# Allegro board LAY-31407_C2.brd
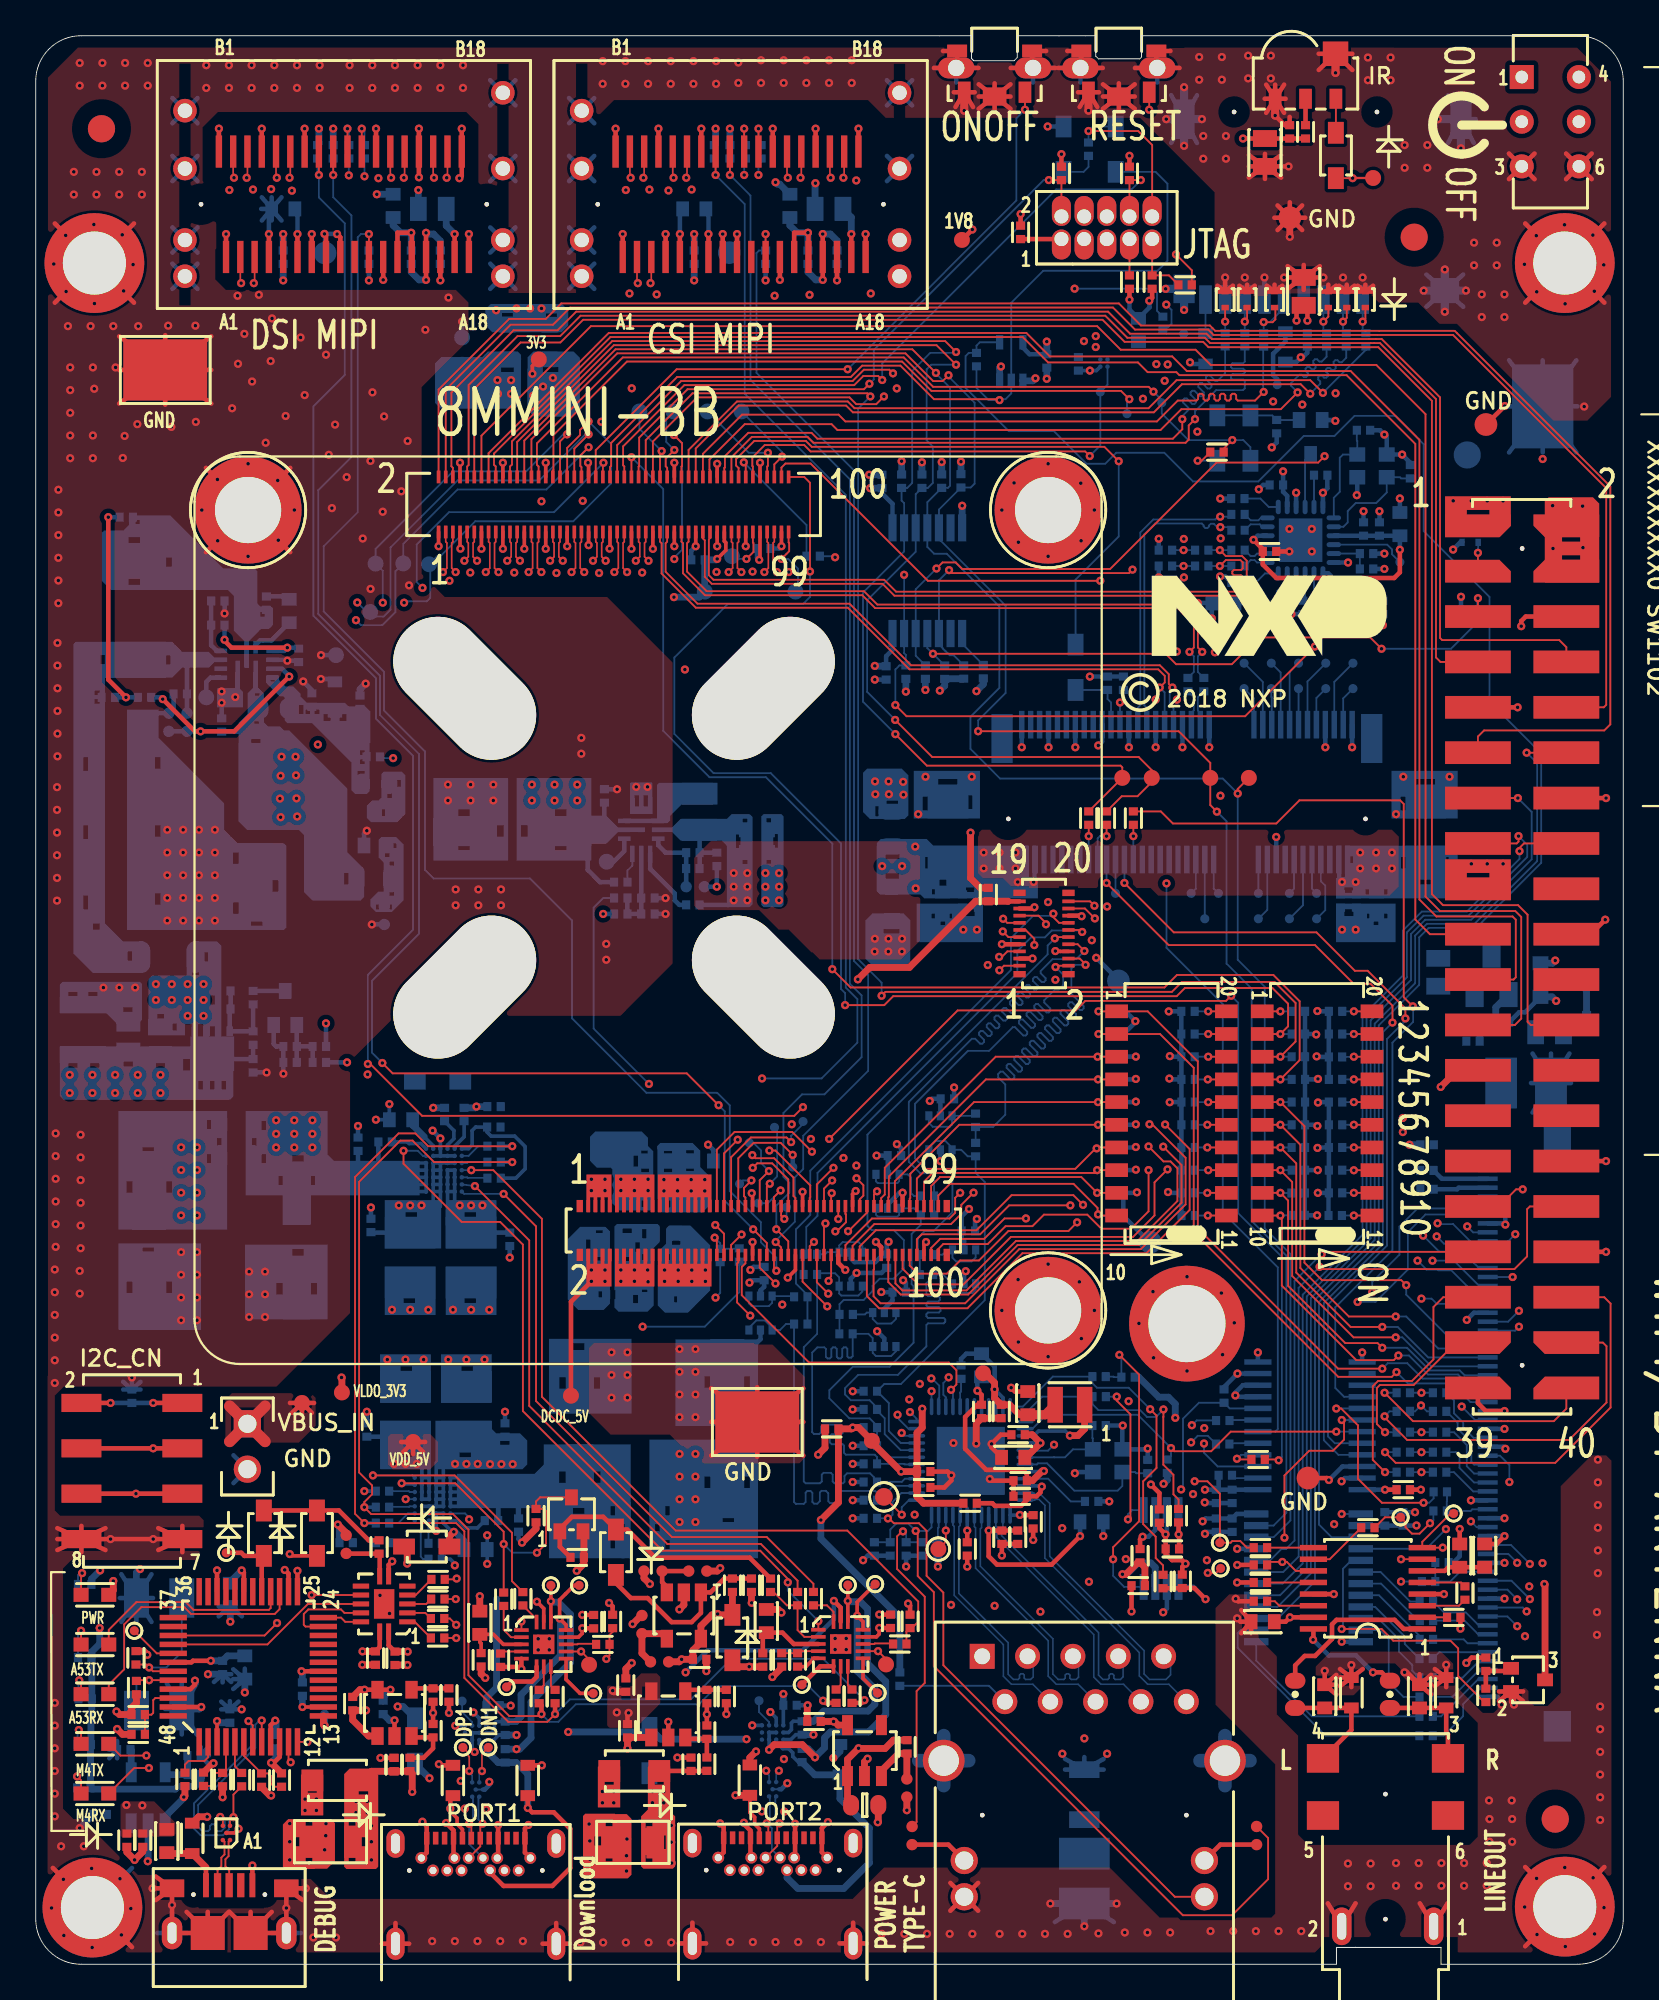
[diagram p0: board, top side]
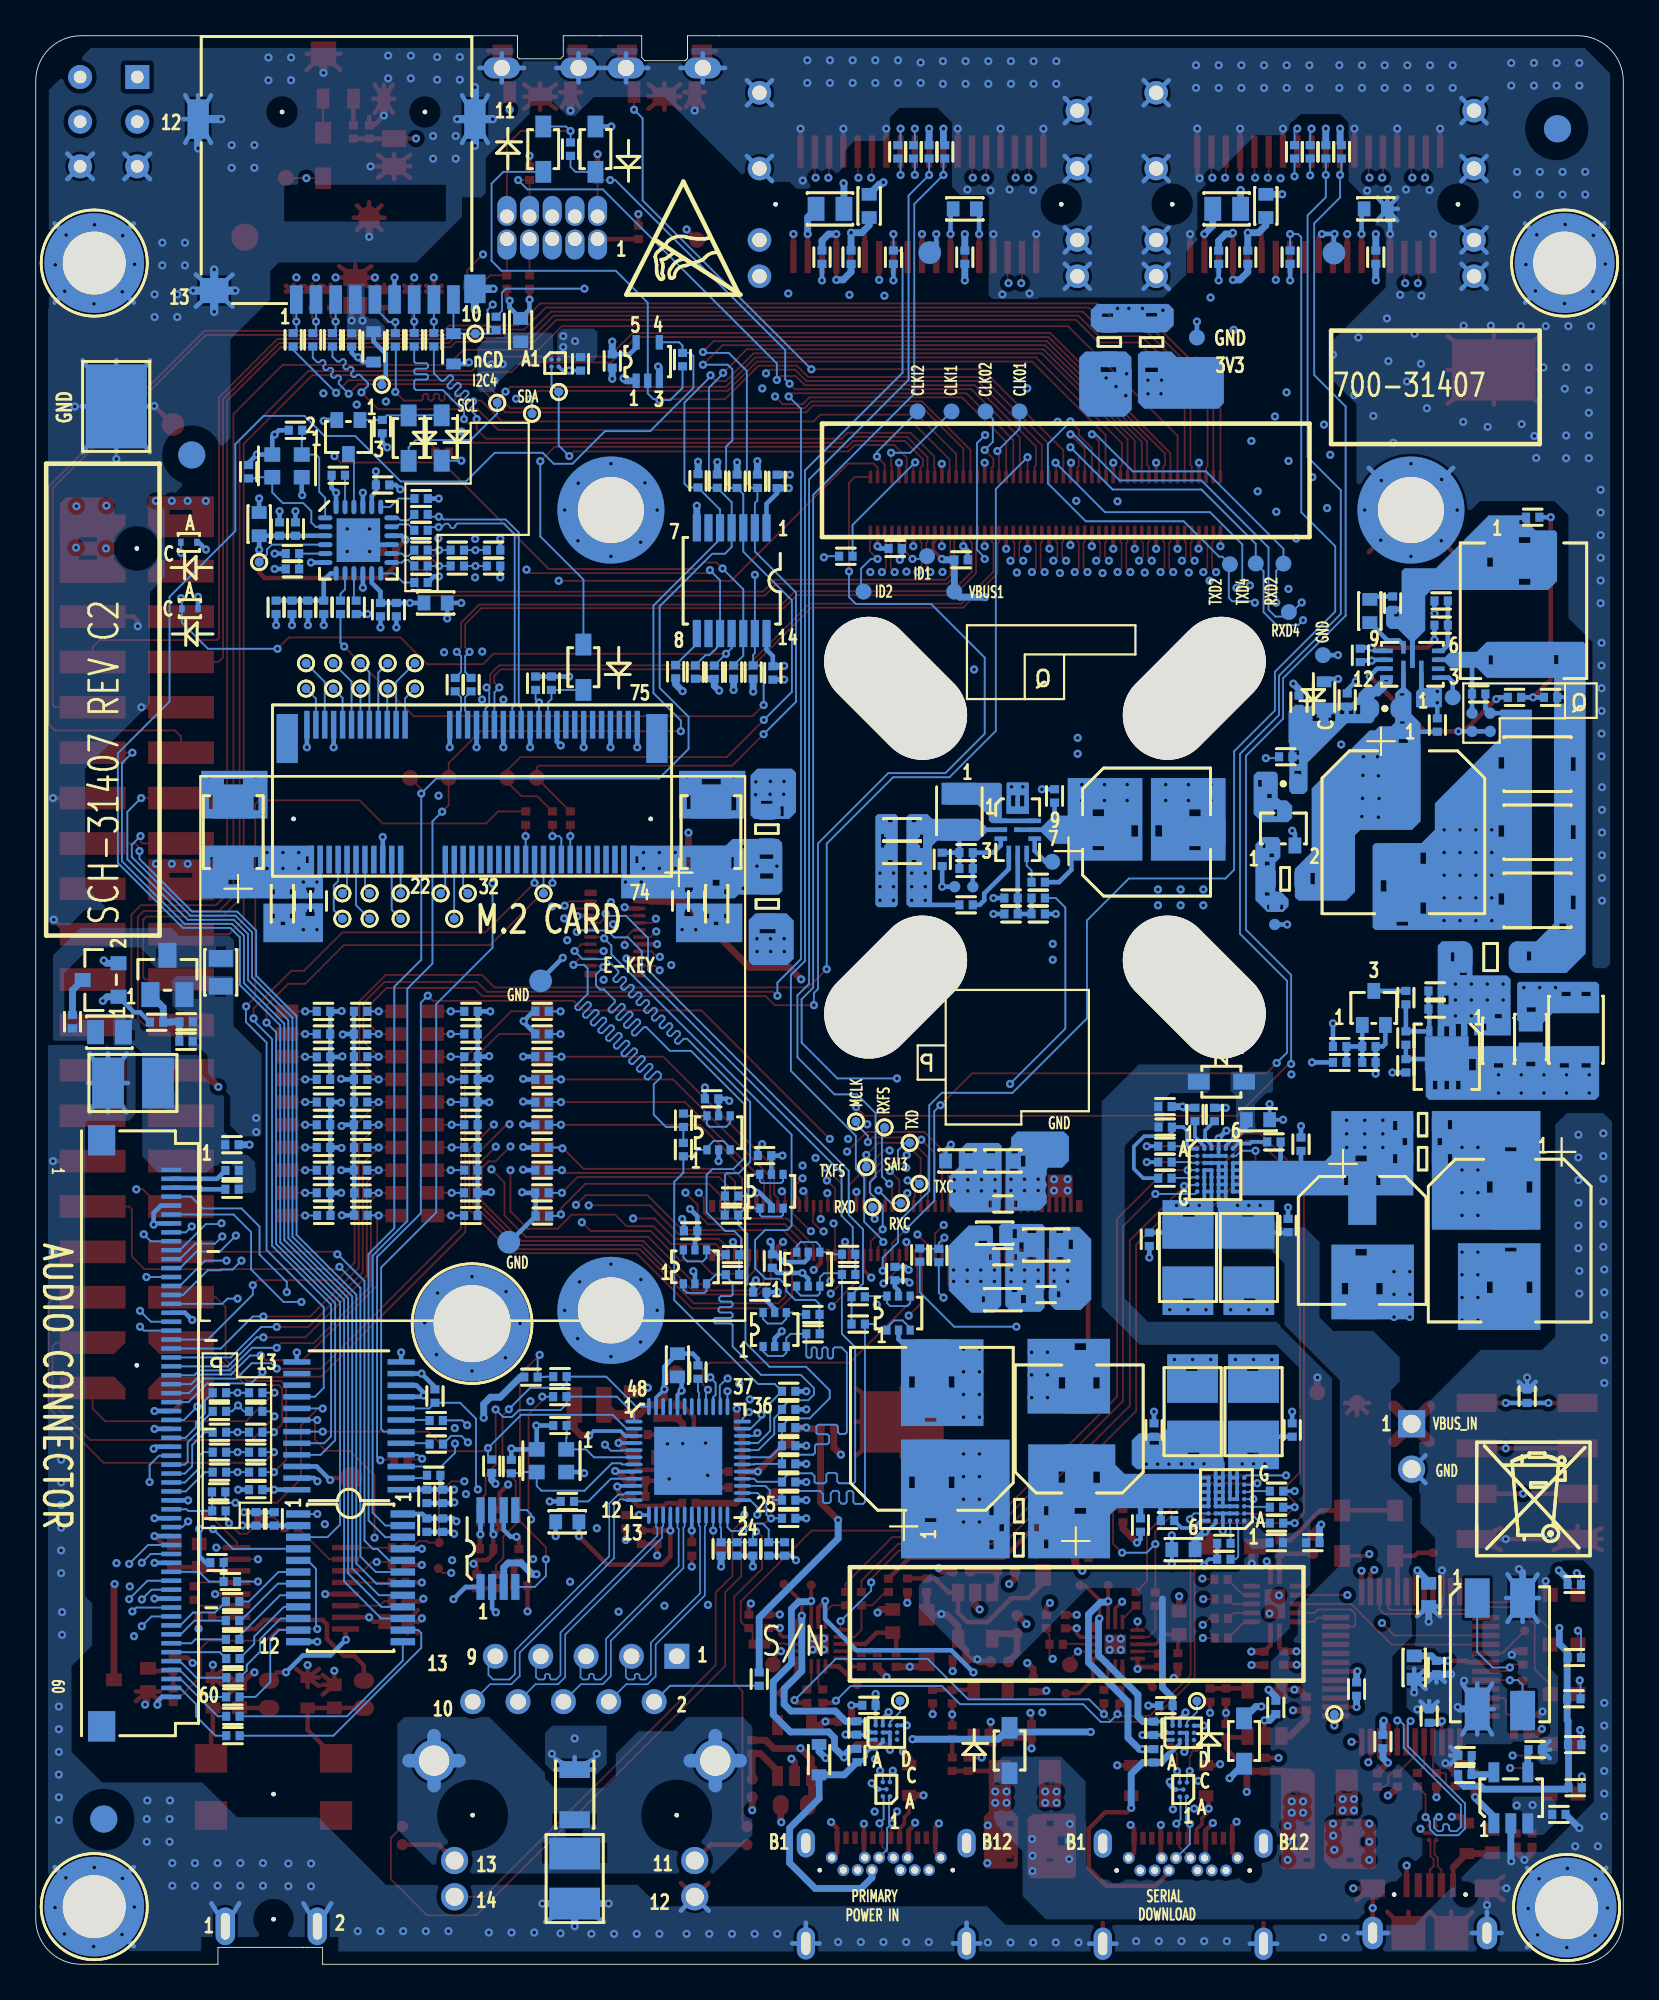
[diagram p1: board, bottom side, seen from below]

Outline 88.9 x 107.95 mm; copper layers: TOP, L2_GND1, L3_IN1, L4_POWER_1, L5_POWER_2, L6_IN2, L7_GND2, BOTTOM. Coordinates in mm from the lower left corner of the outline.
Outline path: 0,105.41 arc(0.74,107.21) 2.54,107.95 52.4,107.95 52.4,106.68 52.53,106.55 54.79,106.55 54.97,106.73 54.97,107.95 59.36,107.95 59.36,106.81 59.51,106.65 61.82,106.65 61.93,106.76 61.93,107.95 86.36,107.95 arc(88.16,107.21) 88.9,105.41 88.9,2.54 arc(88.16,0.74) 86.36,0 78.69,0 78.69,0.94 73.93,0.94 73.93,0.95 73.92,0.94 72.84,0.94 72.84,0 2.54,0 arc(0.74,0.74) 0,2.54 0,105.41

## Design rules (mm)
constraint set DEFAULT: min track width 0.102
net group 3483_EN_SNK1: nets 3483_EN_SNK1 EN_SNK1
net group 3483_EN_SNK2: nets 3483_EN_SNK2 EN_SNK2
net group CLS_DIFF_100: nets PCIE_CLKN PCIE_CLKP
net group CSI_I2C_SCL: nets CSI_I2C_SCL I2C3_SCL
net group CSI_I2C_SDA: nets CSI_I2C_SDA I2C3_SDA
net group DIFFPAIR0: nets USB_DBG_DM USB_DBG_DP
net group ECSPI1: nets UART3_CTS UART3_RTS
net group EN_SRC1: nets EN_SRC1 PD_EN_SRC1
net group EN_SRC2: nets EN_SRC2 PD_EN_SRC2
net group ENET_NRST_LV: nets ENET_NRST_LV N107724179
net group ENET_RD1: nets ENET_RD1_BUFIN N107968670
net group ENET_RD2: nets ENET_RD2_BUFIN N107968717
net group ENET_RD3: nets ENET_RD3_BUFIN N107968739
net group ENET_RX_CTL: nets ENET_RX_CTL_BUFIN N107968479
net group ENET_RXC: nets ENET_RXC_BUFIN N107968412
net group ETH_TRX0: nets ETH_TRX0_N ETH_TRX0_P
net group ETH_TRX1: nets ETH_TRX1_N ETH_TRX1_P
net group ETH_TRX2: nets ETH_TRX2_N ETH_TRX2_P
net group ETH_TRX3: nets ETH_TRX3_N ETH_TRX3_P
net group EXP_IO0: nets EXP_IO0 N104271923
net group EXP_IO1: nets EXP_IO1 N104271907
net group EXP_IO2: nets EXP_IO2 N104271909
net group EXP_IO3: nets EXP_IO3 N104271911
net group EXP_IO4: nets EXP_IO4 N104271896
net group EXP_IO5: nets EXP_IO5 N104271904
net group EXP_IO6: nets EXP_IO6 N104271893
net group EXP_IO7: nets EXP_IO7 N104271890
net group EXT_PWREN: nets EXT_PWREN N107626870
net group JTAG_NTRST: nets JTAG_NTRST N106685087
net group LINE_OUTL: nets LINE_OUTL N102887640
net group LINE_OUTR: nets LINE_OUTR N102887637
net group LINK / ACTIVE: nets LED_LINK1000 LINK / ACTIVE
net group LINKACT: nets LED_ACT LINKACT
net group N102889416: nets N102889416 N102889418
net group N106947509: nets N106947509 N106947511
net group N107060780: nets N106825388 N107060780
net group NRST: nets N106685043 NRST
net group PCIE_NRST_LV: nets N107724192 PCIE_NRST_LV
net group PCIE_RX: nets PCIE_RXN PCIE_RXP
net group PCIE_TXN: nets N105095143 PCIE_TXN
net group PCIE_TXP: nets N105095140 PCIE_TXP
net group PMIC_ON_REQ: nets N106947532 PMIC_ON_REQ
net group POR_B: nets EX_POR_B POR_B
net group REF_CLK_C: nets N101995404 N101995408
net group SAI2_MCLK: nets N107724212 SAI2_MCLK
net group SAI3_TXC: nets N102889754 SAI3_TXC
net group SAI5: nets SAI5_MCLK SAI5_RXFS
net group SD2_CLK: nets N98831920 SD2_CLK
net group SD2_CMD: nets N101118780 SD2_CMD
net group SD2_DATA0: nets N101118689 SD2_DATA0
net group SD2_DATA1: nets N101118681 SD2_DATA1
net group SD2_DATA3: nets N101118786 SD2_DATA3
net group SPDIF: nets SPDIF_RX SPDIF_TX
net group SPDIF_EXT_CLK: nets N104271750 SPDIF_EXT_CLK
net group UART: nets UART3_RXD UART3_TXD
net group UART2_RXD: nets N108373117 UART2_RXD
net group UART2_TXD: nets N108373115 UART2_TXD
net group UART4_RXD: nets N108373121 UART4_RXD
net group UART4_TXD: nets N108373119 UART4_TXD
net group USB1_CC1: nets USB1_CC1 USB1_CC1_CN
net group USB1_CC2: nets USB1_CC2 USB1_CC2_CN
net group USB1_D: nets USB1_DN USB1_DP
net group USB2_CC1: nets USB2_CC1 USB2_CC1_CN
net group USB2_CC2: nets USB2_CC2 USB2_CC2_CN
net group USB2_D: nets USB2_DN USB2_DP
net group USB_LD_NFLT1: nets LD1_NINT USB_LD_NFLT1
net group USB_LD_NFLT2: nets LD2_NINT USB_LD_NFLT2
net group VBUS_DBG: nets N108201307 VBUS_DBG
net group VBUS_EXT: nets N101800237 N104270741
net group CSI-DSI: nets CSI_CKN CSI_CKP CSI_DN0 CSI_DN1 CSI_DN2 CSI_DN3 CSI_DP0 CSI_DP1 CSI_DP2 CSI_DP3 DSI_CKN DSI_CKP DSI_DN0 DSI_DN1 DSI_DN2 DSI_DN3 DSI_DP0 DSI_DP1 DSI_DP2 DSI_DP3
net group DSI_TS_SCL: nets DSI_TS_SCL I2C2_SCL M2_I2C_SCL
net group DSI_TS_SDA: nets DSI_TS_SDA I2C2_SDA M2_I2C_SDA
net group ECSPI2: nets BT_DEV_WAKE N102026698 PCIE_NCLKREQ PCIE_NRST PCIE_NWAKE
net group ENET_RD0: nets ENET_MDIO ENET_RD0_BUFIN ENET_VDDIO MDIO N105218199 N107966091 N107968707
net group I2C2_SDA_3V3: nets I2C2_SDA_3V3 LD1_I2C_SDA LD2_I2C_SDA N104279469 PD1_I2C_SDA PD2_I2C_SDA
net group LD1_I2C_SCL: nets I2C2_SCL_3V3 LD1_I2C_SCL LD2_I2C_SCL N104279466 PD1_I2C_SCL PD2_I2C_SCL
net group M-ENET-TX: nets ENET_TD0 ENET_TD1 ENET_TD2 ENET_TD3 ENET_TX_CTL ENET_TXC
net group MDC: nets ENET_MDC MDC N107966089
net group N103620610: nets N103620610 N107896174 N108059802
net group N103621273: nets N103620608 N103620792 N103620806 N103620818 N103621273 N107870832
net group NCS_CLK: nets ENET_XTLO
net group NCS_POWER_PH: nets ENET_AVDD33 ENET_DVDDL_1V1 ENET_LX ENET_VDDH_2V5 ILIM_5V_VBUS1 ILIM_5V_VBUS2 LINEVDD N99468751 N101995244 N101995353 N101995570 N106751784 N106751786 USB1_VBUS USB1_VBUS_IN USB2_VBUS_IN VCC VCC_3V6 VLDO1_3V3
net group PCIE: nets M2_USB_DN M2_USB_DP N101995436 N101995453 REF_CLKN_CN REF_CLKP_CN
net group SAI1: nets SAI1_MCLK SAI1_RXC SAI1_RXD0 SAI1_RXD1 SAI1_RXD2 SAI1_RXD3 SAI1_RXD4 SAI1_RXD5 SAI1_RXD6 SAI1_TXC SAI1_TXD0 SAI1_TXD1 SAI1_TXD2 SAI1_TXD3 SAI1_TXD4 SAI1_TXD5 SAI1_TXD6
net group SAI2: nets M2_PCM_CLK M2_PCM_IN M2_PCM_OUT M2_PCM_SYNC
net group SAI2_3_MCLK: nets N102889696 SAI2_3_MCLK SAI3_MCLK
net group SAI3: nets SAI3_RXD SAI3_RXFS SAI3_TXD SAI3_TXFS
net group SAI5_RXC: nets N104271082 N106693819 SAI5_RXC
net group SAI5_RXD0: nets N104271107 N106693817 SAI5_RXD0
net group SAI5_RXD1: nets N104271093 N107162937 SAI5_RXD1
net group SAI5_RXD2: nets N104271096 N106693815 SAI5_RXD2
net group SD2: nets M2_SD_CLK M2_SD_CMD M2_SD_DAT0 M2_SD_DAT1 M2_SD_DAT2 M2_SD_DAT3 M2_SD_NRST M2_SD_WAKE SD2_NRST
net group VCC_3V3_FT: nets N108242066 N108242068 N108243403 N108243405

## Placement (name value [footprint] x y rotation side)
BH1201  .635" LONG  [SPACER_139T]  3.29 95.22 180 bottom
BH1202  .635" LONG  [SPACER_139T]  85.62 95.22 180 bottom
BH1203  .635" LONG  [SPACER_139T]  3.17 3.17 180 bottom
BH1204  .635" LONG  [SPACER_139T]  85.62 3.23 180 bottom
BH1206  SMTSO-M25  [MH244-166T]  64.47 35.86 180 bottom
BH1207  STANDOFF M2.5  [STANDOFF_CIRCLE_5P1-2P5MM_NSP]  56.69 81.4 45 top
BH1208  STANDOFF M2.5  [STANDOFF_CIRCLE_5P1-2P5MM_NSP]  56.69 36.6 45 top
BH1209  STANDOFF M2.5  [STANDOFF_CIRCLE_5P1-2P5MM_NSP]  11.89 81.4 45 top
C101  100uF  [CCE8P3X8P3]  12.31 63.36 270 bottom
C102  0.22uF  [0402_CC]  12.91 76.19 270 bottom
C103  47UF  [CASE_D_AL]  26.69 63.38 180 bottom
C105  0.1uF  [0402_CC]  10.41 69.37 90 bottom
C106  0.1uF  [0402_CC]  8.09 71.11 180 bottom
C107  100UF  [1210_CC]  4.8 67.17 0 bottom
C108  100UF  [1210_CC]  4.8 63.36 0 bottom
C109  100UF  [1210_CC]  4.8 59.55 0 bottom
C113  0.22uF  [0402_CC]  15.46 70.76 90 bottom
C114  1uF  [0402_CC]  14.72 73.27 270 bottom
C116  0.1uF  [0402_CC]  31.85 65.4 90 bottom
C117  0.1uF  [0402_CC]  34.28 59.68 0 bottom
C118  1000pF  [0402_CC]  36.8 61.33 180 bottom
C119  22uF  [0603_CC]  40.38 63.5 0 bottom
C120  22uF  [0603_CC]  40.38 62.23 0 bottom
C121  0.1uF  [0402_CC]  38.14 61.85 270 bottom
C122  1000pF  [0402_CC]  36.8 59.3 0 bottom
C138  0.22uF  [0402_CC]  10.54 53.47 0 bottom
C141  1uF  [0402_CC]  12.17 50.29 270 bottom
C142  10uF  [0805_CC]  5.18 51.9 90 bottom
C145  0.1uF  [0402_CC]  14.24 51.37 180 bottom
C157  100UF  [1210_CC]  2.65 52.31 90 bottom
C159  0.01UF  [0402_CC]  12.17 51.85 90 bottom
C160  220PF  [0402_CC]  4.07 70.92 180 bottom
C161  0.22uF  [0402_CC]  18.16 70.64 90 bottom
C201  1uF  [0402_CC]  75.54 24.93 90 bottom
C202  1uF  [0402_CC]  67 24.58 270 bottom
C203  0.01UF  [0402_CC]  66.11 24.58 270 bottom
C204  0.01UF  [0402_CC]  76.56 24.93 90 bottom
C205  1uF  [0402_CC]  67 26.19 270 bottom
C206  0.01UF  [0402_CC]  66.11 26.19 270 bottom
C207  1uF  [0402_CC]  76.58 26.56 0 top
C208  0.01UF  [0402_CC]  76.58 26.56 0 bottom
C209  0.1uF  [0402_CC]  32.32 37.48 0 bottom
C210  22uF  [0805_CC]  32.32 40.26 0 bottom
C211  0.1uF  [0402_CC]  34.73 42.56 180 bottom
C212  22uF  [0603_CC]  37.3 44.96 0 bottom
C213  0.1uF  [0402_CC]  34.75 39.6 180 bottom
C214  22uF  [0603_CC]  35.21 40.92 180 bottom
C215  0.1uF  [0402_CC]  37.08 78.61 180 bottom
C216  0.1uF  [0402_CC]  40.77 79.25 0 bottom
C217  22uF  [0603_CC]  34.74 44.96 180 bottom
C218  22uF  [0603_CC]  34.75 37.2 180 bottom
C219  0.1uF  [0402_CC]  47.39 83 90 bottom
C220  0.1uF  [0402_CC]  47.62 72.28 270 bottom
C221  0.1uF  [0402_CC]  56.62 89.75 270 bottom
C301  4.7uF  [CC1210]  24.12 30.93 90 bottom
C302  0.1uF  [0402_CC]  26.28 29.91 90 bottom
C303  0.01UF  [0402_CC]  20.07 11.18 90 top
C304  100uF  [CCE8P3X8P3]  38.72 29.98 90 bottom
C305  100uF  [CCE8P3X8P3]  6.36 40.51 270 bottom
C308  0.1uF  [0402_CC]  27.04 24.58 270 bottom
C309  47UF  [CASE_D_AL]  30.47 29.96 90 bottom
C311  47UF  [CC1210]  20.7 30.93 90 bottom
C313  0.1uF  [0402_CC]  18.54 29.91 90 bottom
C314  0.1uF  [0402_CC]  17.39 23.6 180 bottom
C315  0.01UF  [0402_CC]  25.52 24.84 0 bottom
C316  1000pF  [0402_CC]  22.37 23.56 0 bottom
C317  4.7uF  [0603_CC]  24.63 23.21 0 bottom
C318  2.2uF  [0402_CC]  26.04 17.02 90 top
C319  4.7uF  [0603_CC]  24.87 19.12 90 top
C320  0.1uF  [0402_CC]  31.24 19.18 270 top
C321  4.7uF  [CC1210]  20.97 39.56 270 bottom
C322  0.1uF  [0402_CC]  18.77 41.35 90 bottom
C323  0.01UF  [0402_CC]  36.69 11.2 90 top
C325  0.1uF  [0402_CC]  18.05 45.9 90 bottom
C326  47UF  [CASE_D_AL]  14.62 40.52 270 bottom
C327  47UF  [CC1210]  24.38 39.56 270 bottom
C329  0.1uF  [0402_CC]  26.54 40.58 270 bottom
C330  0.01UF  [0402_CC]  19.56 46.03 180 bottom
C331  0.1uF  [0402_CC]  25.67 48.01 180 bottom
C332  2.2uF  [0402_CC]  41.77 17.04 90 top
C333  1000pF  [0402_CC]  22.89 47.56 90 bottom
C334  4.7uF  [0603_CC]  20.45 47.27 180 bottom
C335  4.7uF  [0603_CC]  40.91 19.21 90 top
C336  0.1uF  [0402_CC]  47.87 19.2 270 top
C337  0.1uF  [0402_CC]  25.61 14.48 0 bottom
C338  0.1uF  [0402_CC]  42.24 14.5 0 bottom
C339  1uF  [CC0603_OV]  46.42 8.9 0 top
C340  2.2uF  [0402_CC]  43.58 13.59 180 top
C341  18PF  [0402_CC]  40.08 21.22 270 top
C342  0.1uF  [0402_CC]  19.46 14.38 270 bottom
C343  0.1uF  [0402_CC]  33.05 15.63 90 top
C344  0.1uF  [0402_CC]  37.18 17.07 0 top
C401  1uF  [0402_CC]  79.41 19.42 0 top
C402  4.7uF  [0603_CC]  81.14 22.87 90 top
C403  4.7uF  [0603_CC]  68.71 19.18 180 top
C404  2.2uF  [0402_CC]  68.58 20.32 0 top
C405  1uF  [0402_CC]  80.03 20.78 270 top
C406  2700pF  [0603_CC]  77.49 15 270 top
C407  2700pF  [0603_CC]  72.18 15 90 top
C501  1uF  [0402_CC]  54.1 23.9 270 top
C502  1uF  [0402_CC]  55.13 26.19 180 top
C503  0.22uF  [0402_CC]  54.99 23.9 270 top
C504  0.22uF  [0402_CC]  49.73 27.58 0 top
C505  1uF  [0402_CC]  49.73 26.69 0 top
C506  10uF  [0603_CC]  54.74 28.37 180 top
C507  0.22uF  [0402_CC]  55.01 29.64 180 top
C508  10uF  [0603_CC]  55.55 31.41 90 top
C509  0.22uF  [0402_CC]  54.06 30.94 270 top
C510  0.22uF  [0402_CC]  52.16 23.25 270 top
C511  0.22uF  [0402_CC]  55.85 24.77 270 top
C512  0.22uF  [0402_CC]  52.96 30.94 270 top
C513  0.22uF  [0402_CC]  55.13 27.07 180 top
C514  470PF  [0402_CC]  49.63 23.25 270 bottom
C515  470PF  [0402_CC]  47.85 23.25 270 bottom
C516  470PF  [0402_CC]  46.74 24.96 180 bottom
C517  1000pF  [CC1210]  58.72 4.79 90 bottom
C518  22PF  [0402_CC]  59.55 30.16 0 bottom
C519  22PF  [0402_CC]  62.27 27.86 90 bottom
C520  0.22uF  [0402_CC]  48.09 45.26 0 bottom
C521  0.22uF  [0402_CC]  47.65 39.36 270 bottom
C522  0.22uF  [0402_CC]  48.35 37.62 0 bottom
C523  0.22uF  [0402_CC]  61.74 21.19 180 top
C524  0.22uF  [0402_CC]  62.92 25.09 90 top
C525  0.22uF  [0402_CC]  51.05 48.44 0 bottom
C526  0.22uF  [0402_CC]  40.79 38.66 90 bottom
C527  0.22uF  [0402_CC]  52.23 41.05 0 bottom
C603  1uF  [0402_CC]  73.66 75.95 270 bottom
C604  0.01UF  [0402_CC]  72.77 75.95 270 bottom
C605  1uF  [0402_CC]  74.36 80.34 90 bottom
C606  0.01UF  [0402_CC]  75.25 80.34 90 bottom
C607  0.01UF  [0402_CC]  69.09 79.08 0 top
C608  1uF  [0402_CC]  68.71 75.83 270 bottom
C609  0.01UF  [0402_CC]  69.48 82.8 180 bottom
C611  0.01UF  [0402_CC]  69.6 75.83 270 bottom
C613  18PF  [0402_CC]  74.35 85.87 0 bottom
C614  18PF  [0402_CC]  76.97 83.55 90 bottom
C615  0.1uF  [0402_CC]  65.41 71.63 270 bottom
C616  0.1uF  [0402_CC]  64.52 71.63 270 bottom
C617  0.1uF  [0402_CC]  73.96 59.52 270 bottom
C618  10uF  [0603_CC]  50.77 59.37 270 bottom
C620  0.1uF  [0402_CC]  73.07 59.52 270 bottom
C621  0.1uF  [0402_CC]  52.79 59.52 270 bottom
C622  0.1uF  [0402_CC]  51.9 59.52 270 bottom
C623  10uF  [0603_CC]  75.09 59.37 270 bottom
C624  220uF  [CC3528-21]  77.84 63.37 90 bottom
C625  220uF  [CC3528-21]  51.09 63.37 90 bottom
C702  1uF  [0402_CC]  58.39 89.58 270 bottom
C703  47uF  [0805_CC]  71.01 93.64 90 top
C704  0.1uF  [0402_CC]  71.21 90.92 270 bottom
C706  47uF  [0805_CC]  68.83 101.42 270 top
C707  0.1uF  [0402_CC]  70.22 102.57 90 top
C708  22uF  [0603_CC]  61.75 91.47 90 bottom
C801  22uF  [0603_CC]  13.86 98.26 180 bottom
C802  0.1uF  [0402_CC]  13.86 95.55 270 bottom
C803  0.1uF  [0402_CC]  21.03 95.55 270 bottom
C804  0.1uF  [0402_CC]  22.66 95.55 90 bottom
C805  0.1uF  [0402_CC]  36.87 95.55 270 bottom
C806  0.1uF  [0402_CC]  43.24 95.55 270 bottom
C807  0.1uF  [0402_CC]  44.87 95.55 90 bottom
C811  22uF  [0603_CC]  42.23 98.42 90 bottom
C812  22uF  [0805_CC]  22.21 98.26 180 bottom
C813  22uF  [0603_CC]  36.88 98.26 0 bottom
C814  22uF  [0603_CC]  20.02 98.42 90 bottom
C815  22uF  [0805_CC]  44.42 98.26 180 bottom
C901  1uF  [0402_CC]  5.99 6.94 270 top
C902  0.1uF  [0402_CC]  5.74 13.98 180 top
C903  0.1uF  [0402_CC]  5.11 6.94 270 top
C905  1uF  [0402_CC]  3.61 8.39 180 bottom
C906  10uF  [0603_CC]  10.9 20.68 270 bottom
C907  27 PF  [0402_CC]  5.61 17.15 90 top
C908  27 PF  [0402_CC]  5.64 15.48 270 top
C909  0.1uF  [0402_CC]  9.4 10.35 90 top
C910  0.1uF  [0402_CC]  10.46 16.61 270 bottom
C911  0.1uF  [0402_CC]  10.87 13.89 90 bottom
C912  10uF  [0603_CC]  11.71 16.61 270 bottom
C913  0.1uF  [0402_CC]  14.94 15.4 90 bottom
C914  0.1uF  [0402_CC]  13.46 12.46 90 bottom
C915  0.1uF  [0402_CC]  19.02 17.14 270 top
C916  0.1uF  [0402_CC]  20.12 17.13 270 top
C917  0.22uF  [0402_CC]  4.93 12.01 180 bottom
C918  1uF  [0402_CC]  8.86 11.68 0 bottom
C920  0.033uF  [0402_CC]  12.65 10.31 90 top
C1001  10UF  [CC1210]  83.45 49.33 0 bottom
C1002  0.1uF  [0402_CC]  77.91 45.87 180 bottom
C1003  0.1uF  [0402_CC]  5.38 31.79 90 bottom
C1004  0.22uF  [0402_CC]  80.47 52.76 0 bottom
D101  BZX585-B2V4  [SOD523]  16.76 70.93 90 bottom
D301  PTVS20VS1UR  [SOD123W]  16.89 10.29 180 top
D303  PTVS20VS1UR  [SOD123W]  33.52 10.82 180 top
D308  NSR0320  [SOD323]  34.37 11.96 0 bottom
D309  NSR0320  [SOD323]  21.24 12.5 0 bottom
D310  NSR0320  [SOD323]  39.01 18.29 180 top
D311  NSR0320  [SOD323]  32.49 23.06 0 top
D312  NSR0320  [SOD323]  21.89 23.38 270 top
D313  NSR0320  [SOD323]  22.5 49.4 270 bottom
D601  NSR0320  [SOD323]  58.23 72.6 180 bottom
D602  NSR0320  [SOD323]  66.17 85.43 180 bottom
D603  NSR0320  [SOD323]  68.02 85.43 180 bottom
D702  ESD9L5.0ST5G  [SOD-923]  73.42 93.18 270 top
D703  ESD9L5.0ST5G  [SOD-923]  74.46 93.18 270 top
D704  ESD9L5.0ST5G  [SOD-923]  66.61 93.18 270 top
D705  ESD9L5.0ST5G  [SOD-923]  67.83 93.18 270 top
D706  ESD9L5.0ST5G  [SOD-923]  69.37 93.18 270 top
D707  ESD9L5.0ST5G  [SOD-923]  72.38 93.18 270 top
D708  LED RED  [LED_0603]  3.31 20.68 0 top
D709  NSR0320  [SOD323]  72.81 101.25 180 top
D902  LED GREEN  [LED_0603]  3.31 12.34 0 top
D903  LED_ORANGE  [LED_0603_11MIL]  3.31 9.56 0 top
D905  LED_ORANGE  [LED_0603_11MIL]  3.31 15.12 0 top
D906  LED GREEN  [LED_0603]  3.31 17.9 0 top
D907  NSR0320  [SOD323]  57.56 101.6 180 bottom
D908  NSR0320  [SOD323]  60.48 101.6 0 bottom
D909  NSR0320  [SOD323]  15.75 24.13 180 top
D910  NSR0320  [SOD323]  12.77 24.13 180 top
D1001  ESD9L5.0ST5G  [SOD-923]  80.26 75.88 0 bottom
D1002  ESD9L5.0ST5G  [SOD-923]  80.32 79.59 0 bottom
F301  7A  [FUSE_3P4X1P8]  16.51 6.86 180 top
F302  7A  [FUSE_3P4X1P8]  33.44 6.83 180 top
J101  HDR 1X2 TH  [HDR102]  11.85 30.25 0 top
J201  DF40C-100DS-0.4V(51)  [CON100_0P4_22P8X3P1_SM]  32.36 81.71 0 top
J202  DF40C-100DP-0.4V(51)  [CON100_0P4_21P7X2P05_SM]  40.74 41.07 180 top
J203  DF40C-20DP-0.4V(51)  [CON20_0P4_5P7X2P05_SM]  56.46 57.7 270 top
J301  23K20101#LCP-582RF  [CON24_USB_TYPEC_RA_SMT_TH]  27.7 5.95 0 top
J302  23K20101#LCP-582RF  [CON24_USB_TYPEC_RA_SMT_TH]  44.32 5.97 0 top
J401  KJ366EYS  [CON6_AUDIOJACK_RA_TH]  78.28 2.13 90 top
J501  HR851178C  [CON_RJ45_10F_100_TH_RA]  53 17.24 180 top
J601  CON_MINI CARD_RA  [CON_75_0P5_22X9_RA]  64.47 65.79 180 bottom
J701  CONN_SD_CARD 9  [CON9_SDCARD_1P1MM]  72.06 100.43 0 bottom
J801  IPASS MINISAS  [CON_36_0P8_TH]  17.26 98.52 0 top
J802  IPASS MINISAS  [CON_36_0P8_TH]  39.47 98.52 0 top
J901  MICRO_USB_TYPEB  [CON_USB_TYPE_B_SM]  10.83 1.75 0 top
J902  HDR 2X5  [CON_2RH_10_50]  57.44 96.57 0 top
J1001  XF2M-6015-1AH  [CON_FPC_60F_0P5_SM_RA]  83.06 29.72 270 bottom
J1003  TSM-120-01-F-DV-A  [HDR220_TSM_A_SM]  83.24 56.39 0 top
J1004  SSM-104-L-DV  [CON_2X4_SKT_100_SM]  5.38 27.61 0 top
L101  1.5uH  [IND_IHLP]  5.59 75.76 270 bottom
L102  0.47uH  [IND_SPH2520]  37.17 64.51 270 bottom
L401  120 OHM  [0603_CC]  79.74 22.87 90 top
L501  120 OHM  [0603_CC]  59.13 24.77 180 bottom
L502  4.7uH  [IND_VLS252010]  57.91 31.32 180 top
L503  120 OHM  [0603_CC]  52.96 33.53 90 bottom
L601  120 OHM  [0603_CC]  76.39 80.61 90 bottom
L602  120 OHM  [0603_CC]  66.51 76.2 0 bottom
L901  120 OHM  [0603_CC]  7.34 6.9 90 top